# Allegro board OPT8241-CDK-EVM SB REV2P0V1.brd (continued)
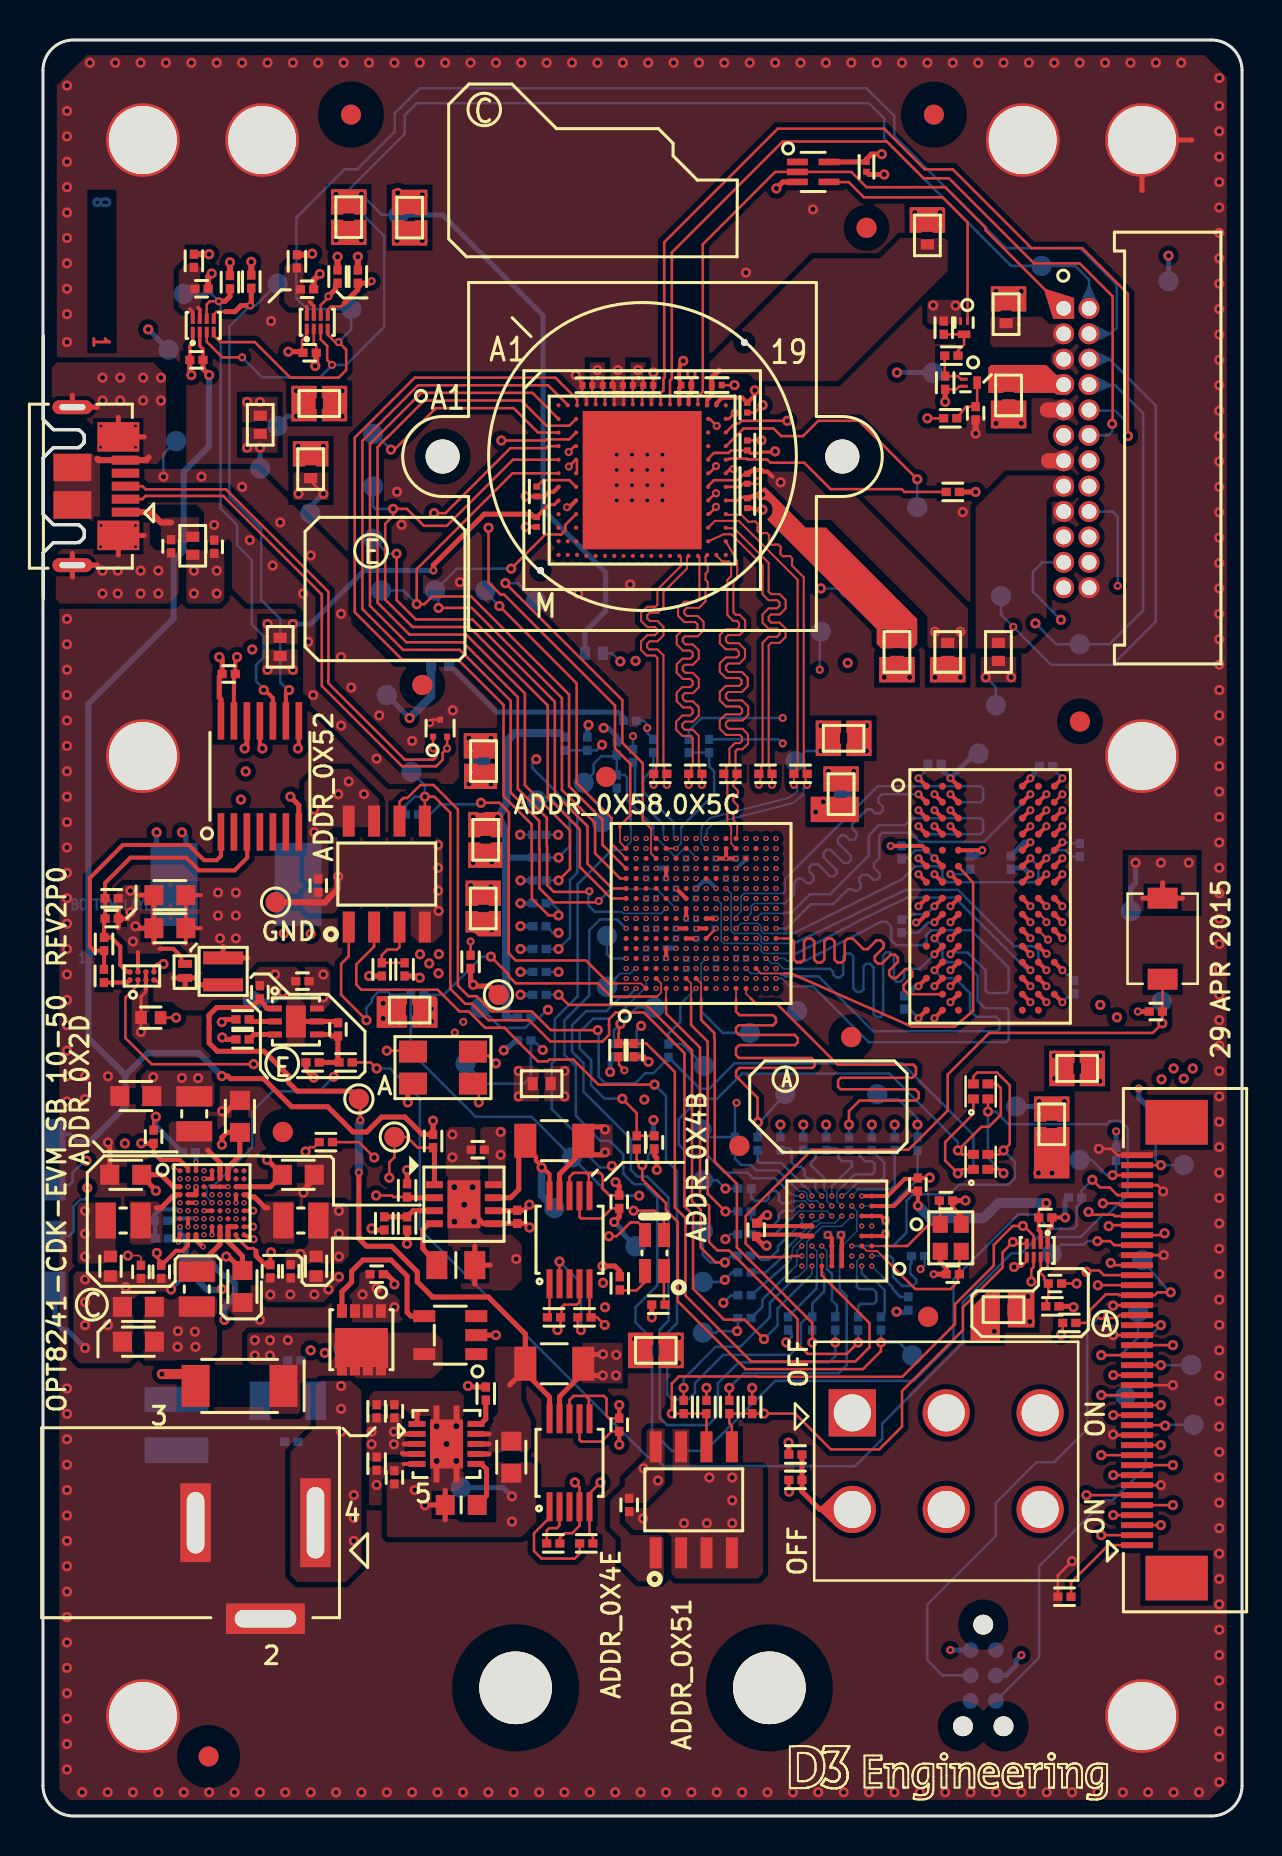
[diagram p0: board, top side]
## Copper pours and planes (outline as drawn; the poured copper is in the pictures) (continued)
VCC_3V3 on BOTTOM: 1.7,27.67 1.7,31.92 4.04,34.26 5.21,34.26 8.31,31.16 9.2,31.16 10.09,30.27 10.09,28.62 10.73,27.98 10.73,24.55 8.67,22.49 3.65,22.49 2.6,23.54 2.6,24.94 2.63,24.96 2.63,26.74 ; 2 cut-outs
VCC_3V3 on SIG1: 5.36,33.12 3.59,33.12 2.22,34.5 2.22,63.04 2.73,63.54 2.73,69.51 2.22,70.02 2.22,73.15 3.69,73.15 3.69,78.19 3.68,78.21 8.06,82.59 45.14,82.59 49.59,78.15 49.59,76.24 49.21,75.86 45.02,75.86 41.46,79.42 16.95,79.42 9.84,72.31 9.84,67.65 10.22,67.27 10.22,66.09 10.18,66.05 10.17,66.05 9.84,65.72 9.84,54.7 7.86,52.72 7.86,48.69 7.02,47.85 7.02,41.43 4.74,39.14 4.74,34.53 5.45,33.81 5.45,33.21
VCC_5V0_ILLUM on TOP: 27,23.67 27,21.63 29.01,21.63 29.01,23.67
VCC_5V0_ILLUM on SIG1: 19.36,41.32 15.55,45.13 15.55,55.13 15.95,55.52 15.95,57.67 19.42,61.14 23.82,61.14 26.08,63.4 38.39,63.4 44.89,69.89 50.26,69.89 50.6,69.56 51.29,69.56 51.59,69.25 51.59,68.76 51.35,68.52 50.49,68.52 49.97,68 49.97,64.85 50.33,64.49 51.29,64.49 51.6,64.19 51.6,63.73 51.29,63.42 50.35,63.42 50.3,63.37 50.3,62.1 50.43,61.98 51.57,61.98 51.7,61.85 51.7,60.83 50.81,59.94 27.7,59.94 23.76,56.01 23.76,49.91 23.38,49.53 23.38,48.64 23.63,48.39 23.63,42.67 22.28,41.32 ; 1 cut-out
VCC_5V0_ILLUM on GND2: 31.17,25.24 30.16,26.26 30.16,27.22 29.19,28.19 21.83,28.19 20.13,29.89 20.13,36.11 18.35,37.89 18.35,43.22 18.49,43.36 19.9,43.36 21.14,42.11 21.14,41.45 33.21,29.38 33.21,20.49 31.94,19.22 28.25,19.22 27.62,19.86 27.62,23.28 27.75,23.41 30.67,23.41 31.17,23.92 ; 1 cut-out
VCC_5V0_MAIN on TOP: 27.86,34.59 27.86,32.93 28.51,32.93 28.51,34.59
VCC_5V0_MAIN on BOTTOM: 11.66,43.59 11.66,49.43 11.83,49.61 13.9,49.61 14.15,49.37 14.15,43.75 13.98,43.59
VCC_5V0_MAIN on PWR1: 3.48,32.05 7.93,32.05 8.44,32.56 8.44,33.83 7.3,34.97 5.52,34.97 4.5,35.98 4.5,46.78 5.65,47.92 22.79,47.92 31.68,39.03 31.68,20.62 30.67,19.6 26.86,19.6 25.71,20.74 25.71,29.25 27.56,31.09 27.56,32.11 27.62,32.17 27.62,36.37 20.89,43.1 10.85,43.1 8.29,40.53 8.29,38.3 9.39,37.19 10.16,37.19 14.03,33.32 14.03,27.98 13.52,27.48 11.49,27.48 11.24,27.73 11.24,29 10.85,29.38 10.3,29.38 9.7,28.78 9.7,28.09 8.82,27.22 4.5,27.22 3.18,28.54 3.18,31.75 ; 1 cut-out
VCC_5V0_MAIN on PWR2: 12.89,79.04 16.44,79.04 17.84,77.64 17.84,70.69 9.94,62.79 9.94,60.29 7.38,57.72 7.38,56.06 8.55,54.88 8.55,50.51 8.67,50.39 8.67,44.13 10.22,42.58 10.22,34.33 8.31,32.43 8.31,29.38 8.19,29.25 7.04,29.25 4.38,31.92 4.38,39.99 5.75,41.36 5.56,48.75 5.56,58.45 7.64,60.53 7.64,63.98 13.65,69.99 13.65,72.94 12.25,74.34 12.25,78.4
VCC_5V0_MINUS on TOP (solid shape): 49.21,69.39 47.43,69.39 47.43,70.78 49.21,70.78
VCC_5V0_MINUS on TOP (solid shape): 19.24,80.05 18.62,80.05 18.62,80.12 18.08,80.12 18.08,80.05 17.46,80.05 17.46,81.32 19.24,81.32
VCC_5V0_MINUS on TOP: 3.68,43.25 3.68,46.17 4.06,46.55 5.84,46.55 5.97,46.43 5.97,43.25 5.84,43.13 3.81,43.13
VCC_5V0_MINUS on SIG2: 1.84,62.78 2.22,62.78 2.73,63.29 2.73,64.81 2.47,65.07 1.84,65.07 1.84,67.61 2.47,68.24 2.47,69.51 1.84,70.15 1.84,74.59 8.82,81.58 45.53,81.58 49.84,77.26 49.84,69 49.34,68.5 45.65,68.5 45.14,69 45.14,69.77 40.7,74.21 9.83,74.21 7.68,72.05 7.68,46.4 4.63,43.35 2.35,43.35 1.84,43.86
VCC_5V0_MINUS_FSC on TOP (solid shape): 18.08,79.73 18.62,79.73 18.62,79.8 19.24,79.8 19.24,78.53 17.46,78.53 17.46,79.8 18.08,79.8
VCC_5V0_MINUS_FSC on SIG1: 45.53,70.4 43.37,70.4 38.41,75.35 18.6,75.35 16.44,77.51 16.44,78.4 17.2,79.16 41.46,79.16 45.65,74.97 45.65,70.53
VCC_5V0_MINUS_ILLUM on TOP (solid shape): 50.7,72.07 51.07,72.07 51.32,72.07 51.59,71.8 51.59,71.77 51.56,71.58 51.59,71.39 51.59,71.37 51.31,71.08 51.07,71.09 50.7,71.08 50.62,71.16 48.59,71.16 48.59,71.23 48.05,71.23 48.05,71.16 47.3,71.16 47.3,72.43 47.43,72.56 50.21,72.56
VCC_AVDD_OUT_3V3 on TOP (solid shape): 45.14,80.37 45.14,79.16 44.53,79.16 44.53,79.23 43.99,79.23 43.99,79.16 43.37,79.16 43.37,80.45 45.06,80.45
VCC_AVDD_OUT_3V3 on PWR2: 10.55,40.59 10.55,34.43 8.65,32.52 8.65,31.33 9.2,30.77 9.56,30.77 10.09,30.24 10.09,29.5 10.41,29.18 11.66,29.18 12.66,30.19 12.66,39.19 12.13,39.73 12.13,46.89 10.68,48.34 10.68,57.04 10.74,57.1 10.74,57.54 11.5,58.31 11.5,58.61 10.68,59.44 10.68,59.89 16.37,65.58 16.37,66.54 27.59,77.76 45.08,77.76 46.36,79.05 46.36,80.32 45.69,80.99 42.55,80.99 41.35,79.78 27.3,79.78 10.21,62.69 10.21,60.25 7.71,57.75 7.71,55.94 8.86,54.79 8.86,44.32 10.46,42.72 10.46,40.68
VCC_DC_JACK on TOP (solid shape): 17.26,22.39 17.16,22.39 17.16,22.04 16.66,22.04 16.66,22.45 16.51,22.45 16.51,22.04 16.01,22.04 16.01,22.45 15.86,22.45 15.86,22.04 15.36,22.04 15.36,22.45 15.21,22.45 15.21,22.04 14.71,22.04 14.71,22.39 14.61,22.39 14.61,24.4 17.26,24.4
VCC_DC_JACK on TOP: 11.36,21.63 11.36,20.36 11.62,20.11 12.76,20.11 12.89,20.24 12.89,21.63 13.14,21.89 19.49,21.89 20,22.4 20,23.79 19.62,24.17 10.35,24.17 10.22,24.05 10.22,22.78
VCC_DC_JACK on BOTTOM: 11.62,19.6 12.51,20.49 12.51,23.92 12.25,24.17 10.47,24.17 7.95,21.65 5.2,21.65 5.12,21.56 5.12,20.23 5.22,20.13 8.56,20.13 9.09,19.6
VCC_DC_JACK on GND2: 13.02,24.17 13.39,23.79 13.39,22.14 12.89,21.63 11.47,21.63 11.47,20.05 11.25,19.84 5.37,19.84 5.05,20.16 5.05,21.5 5.36,21.81 7.19,21.81 9.55,24.17
VCC_DC_JACK_5V_IN on TOP: 23.16,31.41 22.4,31.41 22.27,31.54 22.27,32.81 22.02,33.06 21.89,33.06 21.89,34.33 22.02,34.46 23.03,34.46 23.16,34.33
VCC_DC_JACK_5V_IN on TOP: 15.93,27.22 16.7,27.22 16.7,26.71 17.2,26.21 17.46,26.21 18.09,25.57 18.09,24.94 17.84,24.68 15.43,24.68 15.3,24.81 15.3,26.59
VCC_DC_JACK_5V_IN on TOP: 19.11,18.08 17.2,18.08 16.82,17.7 16.32,17.7 16.19,17.82 16.19,19.98 16.32,20.11 17.84,20.11 17.97,19.98 17.97,19.41 18.15,19.22 19.11,19.22
VCC_DC_JACK_5V_IN on PWR1: 12.51,35.6 12.51,36.87 12.89,37.25 20.63,37.25 23.43,34.46 23.43,31.54 21.73,29.84 21.73,18.25 23.34,16.64 37.98,16.64 38.11,16.51 38.11,13.46 37.52,12.87 20.25,12.87 14.66,18.46 14.66,33.44
VCC_DDR2_0V9 on TOP (solid shape): 41.46,53 40.19,53 40.19,53.62 40.26,53.62 40.26,54.16 40.19,54.16 40.19,54.78 41.46,54.78
VCC_DDR2_0V9 on PWR1: 34.68,46.86 34.68,44.05 35.75,42.98 35.75,42.21 37.14,40.81 51.93,40.81 52.45,41.33 52.45,51.16 48.57,55.03 40.32,55.03 40.06,54.78 40.06,53.39 35.82,49.15 35.82,47.37 35.44,46.99 34.81,46.99
VCC_DDR2_0V9 on GND2: 34.86,47.92 34.86,41.19 36.81,41.19 36.81,47.92
VCC_DDR2_1V8 on TOP (solid shape): 51.62,37.65 51.55,37.65 51.55,37.11 51.62,37.11 51.62,36.49 50.35,36.49 50.35,38.27 51.62,38.27
VCC_DDR2_1V8 on PWR2: 51.11,36.62 47.05,36.62 44.38,39.29 39.81,39.29 36.89,42.21 36.89,48.3 37.08,48.5 37.08,49.89 36.96,50.01 36.96,51.9 37.8,52.75 50.86,52.75 51.88,51.73 51.88,42.59 51.62,42.33 51.62,37.13
VCC_FX2_1V8 on TOP (solid shape): 32.06,22.4 30.79,22.4 30.79,23.01 30.86,23.01 30.86,23.55 30.79,23.55 30.79,24.17 32.06,24.17
VCC_FX2_1V8 on TOP: 31.11,16.59 31.11,19.38 30.35,19.38 30.2,19.23 30.2,17.93 29.12,16.85 29.12,16.51 28.38,15.77 28.38,14.43 28.91,13.9 28.91,12.61 29.78,11.74 30.9,11.74 31.07,11.91 31.07,13.87 30.9,14.04 29.46,14.04 28.87,14.63 28.87,15.4 29.12,15.65 30.18,15.65
VCC_FX2_1V8 on PWR1: 35.55,29.03 35.55,31.68 36.37,32.49 47.11,32.49 47.43,32.17 47.43,31.03 45.98,29.58 43.24,29.58 43.15,29.67 43.11,29.63 41.84,29.63 41.33,29.13 41.33,27.73 40.83,27.22 39.62,27.22 39.61,27.23 36.24,27.23 35.54,27.93 35.54,29.01
VCC_FX2_1V8 on PWR2: 30.16,19.47 30.41,19.47 30.67,19.73 30.67,24.3 30.21,24.76 27.92,24.76 23.3,29.38 18.6,29.38 16.44,31.54 16.44,33.44 18.09,35.1 20.25,35.1 22.09,33.25 28.32,33.25 29.52,32.05 32.64,32.05 33.04,31.66 33.04,31.6 33.6,31.04 34.98,31.04 35.24,30.78 37.27,30.78 38.29,29.76 39.43,29.76 39.43,27.73 37.79,27.73 36.22,29.3 33.4,29.3 32.95,28.86 32.95,23.12 33.97,22.1 35.24,22.1 35.3,22.16 35.54,22.16 36.64,21.06 36.64,18.71 36.57,18.65 46.54,8.68 46.54,7.92 45.78,7.16 40.32,7.16 31.51,15.67 29.9,17.28 29.9,19.22
VCC_FX2_AVCC_3V3 on TOP (solid shape): 50.21,34.39 50.75,34.39 50.75,34.46 51.37,34.46 51.37,31.88 49.59,31.88 49.59,34.46 50.21,34.46
VCC_FX2_AVCC_3V3 on PWR1: 49.3,32.42 50.7,32.42 51.8,31.31 51.8,28.16 50.73,27.09 48.57,27.09 47.18,25.7 42.99,25.7 41.59,27.09 41.59,29.13 41.84,29.38 46.26,29.38
VCC_I2C_3V3 on TOP (solid shape): 49.61,24.43 48.28,24.43 48.28,26.21 49.61,26.21
VCC_I2C_3V3 on PWR1: 5.9,78.4 10.09,78.4 10.73,77.77 10.73,63.92 9.78,62.97 9.78,58.65 10.41,58.02 10.66,58.02 10.98,58.34 10.98,59.23 12.89,61.13 41.84,61.13 44.26,58.72 46.41,58.72 48.4,60.71 52.93,60.71 57.97,55.67 57.97,37.25 57.26,36.54 55.51,36.54 52.8,39.25 52.8,51.37 48.81,55.36 40.25,55.36 39.94,55.67 39.94,56.69 38.54,58.08 18.35,58.08 11.87,51.61 9.41,51.61 9.36,51.56 7.63,51.56 7.25,51.94 7.25,53.72 4.31,56.66 4.31,69.58 4.63,69.89 4.63,70.66 4.57,70.72 4.57,77.07
VCC_I2C_3V3 on PWR1: 51.38,23.16 48.66,23.16 48.35,23.47 48.35,26.24 48.7,26.59 51.62,26.59 51.88,26.33 51.9,26.35 51.9,25.35 51.38,24.83
VCC_I2C_3V3 on PWR2: 48.87,26.33 48.87,24.38 49.34,23.92 55.05,23.92 57.97,26.84 57.97,37.39 57.69,37.67 55.38,37.67 54.08,36.37 53.27,36.37 52.64,35.73 52.64,29.89 49.08,26.33
VCC_ILLUM_5V on TOP: 21.31,17.97 22.07,17.97 22.09,17.95 22.43,17.95 22.43,18.2 24.19,18.2 24.44,18.45 24.44,19.7 24.43,19.7 23.94,20.77 23.94,21.84 24.27,21.84 24.65,22.23 24.65,23.5 23.76,23.5 23.76,23.47 22.69,23.47 22.62,23.39 22.62,21.78 22.77,21.63 22.77,20.15 22.57,19.95 22.43,19.95 22.43,19.48 22.2,19.24 21.31,19.24
VCC_ILLUM_DRV_1V8 on TOP: 46.67,58.39 46.67,65.45 48.25,67.03 51.39,67.03 51.61,66.81 51.61,66.15 51.43,65.98 50.44,65.98 50.22,65.76 50.22,59.48 49.13,58.39
VCC_ILLUM_DRV_3V3 on TOP: 47.49,74.97 49.97,74.97 50.31,74.64 51.31,74.64 51.61,74.33 51.61,73.9 51.29,73.58 50.66,73.58 50.52,73.44 47.56,73.44 47.39,73.61 47.39,74.88
VCC_ILLUM_FB on SIG2: 17.97,55.29 19.62,55.29 19.62,43.1 20.44,42.27 20.44,37.19 18.47,35.22 18.54,35.16 18.54,26.65 18.54,26.65 18.54,25.1 16.18,22.74 14.62,22.74 14.13,22.24 9.93,22.24 9.03,23.14 9.03,23.92 8.82,23.92 8.57,24.17 8.57,25.15 9.55,26.12 14.28,26.12 14.83,26.67 14.83,32.16 13.75,33.24 13.75,35.32 17.59,39.16 17.59,54.91
VCC_LDO_1V8 on TOP (solid shape): 13.7,70.9 13.63,70.9 13.63,70.36 13.7,70.36 13.7,69.74 12.43,69.74 12.43,71.52 13.7,71.52
VCC_LDO_1V8 on PWR2: 7.43,27.86 3.23,27.86 1.84,29.25 1.84,58.97 3.56,60.69 3.56,66.54 8.82,71.8 12.89,71.8 13.14,71.54 13.14,69.96 7.17,64 7.17,60.4 5.22,58.45 5.22,51.55 5.37,51.7 5.37,41.67 4,40.3 4,31.79 6.79,29 7.17,29 7.55,28.62 7.55,27.98
VCC_LDO_3V3 on TOP (solid shape): 51.37,34.71 50.75,34.71 50.75,34.78 50.21,34.78 50.21,34.71 49.59,34.71 49.59,35.98 51.37,35.98
VCC_LDO_3V3 on TOP (solid shape): 47.88,25.59 47.87,25.59 47.87,25.05 47.88,25.05 47.88,23.77 46.41,23.77 46.41,25.37 47.25,26.21 47.88,26.21
VCC_LDO_3V3 on BOTTOM: 25.97,13.51 15.17,24.3 10.98,24.3 10.98,27.98 10.35,28.62 10.35,29.89 14.66,29.89 14.79,29.76 17.59,29.76 29.9,17.44 40.83,17.44 42.22,18.84 42.22,20.87 51.11,29.76 53.27,29.76 54.42,30.9 54.42,33.06 53.15,34.33 50.1,34.33 49.56,34.87 49.56,38.11 50.22,38.78 55.43,38.78 57.59,36.62 57.59,13.51 ; 8 cut-outs
VCC_LDO_3V3 on PWR1: 10.79,28.98 10.79,27.67 11.43,27.03 13.46,27.03 13.9,26.59 13.9,18.71 20.04,12.57 37.74,12.57 38.67,13.51 38.67,17.32 39.43,18.08 41.72,18.08 42.86,19.22 42.86,24.68 43.49,25.32 47.68,25.32 48.19,24.81 48.19,11.22 46.16,9.19 8.06,9.19 4.89,12.36 4.89,25.57 6.16,26.84 8.82,26.84 9.97,27.98 9.97,28.67 10.42,29.13 10.65,29.13
VCC_LDO_3V3 on PWR2: 47.35,25.36 47.62,25.63 47.62,35.67 48.19,36.24 51.24,36.24 52.19,35.29 52.19,29.57 49.3,26.68 49,26.68 48.64,26.32 48.64,23.86 48.57,23.79 47.68,23.79 47.35,24.12
VCC_LDOAO on SIG2: 7.3,32.05 7.3,32.81 7.55,33.06 10.47,33.06 10.48,33.05 13.5,33.05 14.37,32.18 14.37,27.08 13.88,26.58 8.63,26.58 8.52,26.7 8.52,29.3 8.31,29.51 6.54,29.51 6.16,29.89 6.16,31.29 6.54,31.67 6.92,31.67 ; 1 cut-out
VCC_MIX on TOP: 9.96,69.7 11.74,69.7 11.74,70.97 9.96,70.97
VCC_MIX on SIG2: 8.82,71.98 8.82,72.56 10.2,73.94 29.6,73.94 30.69,72.85 30.69,70.38 30.14,69.83 23.77,69.83 23.4,70.2 16.19,70.2 15.45,69.47 8.47,69.47 8.32,69.62 8.32,71.48
VCC_PVDD on TOP: 12.53,67.18 12.53,65.81 14.28,65.81 14.28,67.18
VCC_SENSOR_AVDD_1V8 on TOP: 44.38,58.39 44.26,58.51 44.26,59.99 39.43,64.81 38.03,64.81 36.25,66.59 36.25,67.23 38.03,67.23 39.18,66.08 40.57,66.08 46.29,60.37 46.29,58.41 46.26,58.39
VCC_SENSOR_AVDD_1V8 on PWR1: 36.51,67.23 41.84,67.23 46.8,62.27 46.8,59.73 46.03,58.97 44.38,58.97 41.84,61.51 26.48,61.51 25.97,62.02 25.97,68.24 26.22,68.5 27.36,68.5 28.25,67.61 31.05,67.61 31.62,67.04 31.62,64.11 32.19,63.54 36.51,63.54 37.02,64.05 37.02,66.09 36.51,66.6
VCC_SENSOR_AVDD_3V3 on TOP: 35.66,71.75 35.31,72.11 33.36,72.11 33.36,72.71 38.54,77.89 41.89,77.89 42.9,78.91 45.14,78.91 45.27,78.78 45.27,77.26 39.76,71.75
VCC_SENSOR_DVDD_1V8 on TOP (solid shape): 36.12,66.44 36.17,66.42 38.16,64.43 39.18,64.43 43.75,59.86 43.75,58.62 43.52,58.39 43,58.39 43,58.4 42.46,58.4 42.46,58.39 41.94,58.39 41.72,58.62 41.72,59.35 36.28,64.79 36.26,64.85 36.29,64.9 36.46,65.55 35.85,65.81 35.78,65.82 35.75,65.88 35.75,66.21 35.83,66.29 35.84,66.3 35.96,66.34 36.07,66.42
VCC_SENSOR_DVDD_1V8 on PWR1: 32.44,67.61 35.15,67.61 36.59,66.17 36.59,64.26 36.25,63.92 32.83,63.92 32.06,64.69 32.06,67.23
VCC_SENSOR_DVDD_1V8 on SIG2: 34.22,67.61 37.4,67.61 44.13,60.88 44.13,59.1 43.49,58.46 41.46,58.46 40.06,59.86 40.06,61.13 39.3,61.89 37.91,61.89 33.84,65.96 33.84,67.23
VCC_SENSOR_DVDD_3V3 on TOP (solid shape): 15.03,79.76 15.57,79.76 15.57,79.82 16.19,79.82 16.19,78.55 14.41,78.55 14.41,79.82 15.03,79.82
VCC_SENSOR_DVDD_3V3 on TOP: 46.03,74.59 44.38,74.59 44.26,74.72 44.26,75.68 44.39,75.81 45.83,75.81 46.03,75.61
VCC_SENSOR_DVDD_3V3 on PWR1: 47.56,72.83 46.12,71.39 39.68,71.39 38.63,72.44 31.67,72.44 30.16,73.96 13.39,73.96 12.63,74.72 12.63,79.8 16.95,84.12 43.62,84.12 47.56,80.17
VCC_SENSOR_DVDD_3V3 on GND2: 10.73,54.15 9.97,54.91 9.97,58.72 10.47,59.23 14.03,59.23 15.07,58.18 15.07,43.58 15.05,43.6 15.05,40.81 19.74,36.11 19.74,29.76 21.68,27.83 29.55,27.83 30.79,26.59 30.79,23.54 19.62,23.54 15.68,27.48 15.68,35.6 10.73,40.56
VCC_SENSOR_IOVDD_1V8 on TOP: 10.98,58.59 12.76,58.59 12.76,59.86 10.98,59.86
VCC_SENSOR_IOVDD_1V8 on PWR2: 46.67,58.97 49.72,62.02 49.72,65.45 48.32,66.85 43.24,66.85 41.54,65.14 16.41,65.14 11.05,59.78 11.05,59.44 11.51,58.97
VCC_SENSOR_PLL_1V8 on TOP (solid shape): 15.22,69.74 13.95,69.74 13.95,70.36 14.02,70.36 14.02,70.9 13.95,70.9 13.95,71.52 15.22,71.52
VCC_SENSOR_PLL_1V8 on PWR1: 35.75,70.4 17.08,70.4 16.06,69.39 14.28,69.39 12.76,70.91 12.76,73.07 13.27,73.58 29.9,73.58 31.17,72.31 35.49,72.31 36.05,71.75 36.05,70.71
VCC_SENSOR_PVDD on TOP (solid shape): 14.28,67.48 13.67,67.48 13.67,67.55 13.12,67.55 13.12,67.48 12.51,67.48 12.51,68.75 14.28,68.75
VCC_SENSOR_PVDD on PWR1: 25.62,68.37 26.17,68.92 27.83,68.92 28.77,67.98 36.88,67.98 37.02,68.12 37.02,69.47 36.38,70.1 17.59,70.1 16.36,68.88 12.38,68.88 12,68.5 12,62.78 13.14,61.64 24.7,61.64 25.62,62.56
VCC_TFC_CONFIG on TOP (solid shape): 21.69,50.21 21.92,50.16 22.14,50.21 22.85,50.21 23,50.06 23,49.45 22.99,49.44 22.99,48.94 22.43,48.94 22.43,49.01 21.89,49.01 21.89,48.94 21.27,48.94 21.27,50.21
VCC_TFC_CORE_1V2 on TOP (solid shape): 19.74,40.88 19.74,39.41 18.48,39.41 18.48,40.03 18.54,40.03 18.54,40.57 18.48,40.57 18.48,41 19.62,41
VCC_TFC_CORE_1V2 on GND2: 29.27,41.06 34.12,41.06 34.45,41.4 34.45,47.92 35.24,47.92 35.49,48.18 36.25,48.18 37.14,49.07 37.52,49.07 38.79,50.34 38.79,51.86 38.78,51.87 38.78,60.49 34.63,64.64 17,64.64 15.22,62.87 15.22,58.65 15.4,58.47 15.55,58.47 15.55,40.94 17.46,39.03 19.49,39.03 19.87,39.41 19.87,40.43 19.24,41.06 18.98,41.06 17.97,42.08 17.97,54.27 18.98,55.29 23.9,55.29 27.01,58.39 30.54,58.39 31.23,57.71 31.23,50.15 32.57,48.81 32.57,47.7 32.24,47.37 31.23,47.37 31.23,44.4 30.79,43.97 28.66,43.97 28.38,43.69 28.38,41.95
VCC_TFC_IOVDD_1V8 on TOP: 26.35,35.73 26.35,37.51 25.08,37.51 25.08,35.73
VCC_TFC_IOVDD_1V8 on TOP: 14.28,49.19 14.54,49.45 16.7,49.45 16.82,49.57 16.82,50.84 15.3,52.37 13.78,52.37 13.08,51.67 13.08,46.84 13.27,46.65 14.03,46.65 14.28,46.91
VCC_TFC_IOVDD_1V8 on PWR2: 13.27,50.59 18.09,55.42 33.97,55.42 36.76,52.62 36.76,42.21 37.27,41.7 37.27,41.06 30.92,41.06 30.92,36.1 32.81,34.21 33.21,34.21 35.37,32.05 41.33,32.05 41.72,31.67 41.72,30.27 41.59,30.14 41.59,29.13 40.83,29.13 39.94,30.02 38.92,30.02 37.91,31.03 35.49,31.03 34.86,31.67 33.46,31.67 32.7,32.43 29.65,32.43 28.51,33.57 25.59,33.57 24.95,34.21 24.95,37.13 21.65,40.43 15.93,40.43 15.14,41.23 15.14,46.71 13.27,48.58
VCC_TFC_IOVDD_2V5 on TOP (solid shape): 39.67,50.97 39.67,50.9 40.21,50.9 40.21,50.97 40.83,50.97 40.83,49.7 38.41,49.7 38.41,50.97
VCC_TFC_IOVDD_2V5 on SIG1: 39.27,49.67 39.27,50.88 39.05,51.1 37.52,51.1 34.6,48.18 33.46,48.18 33.33,48.05 33.33,47.67 33.46,47.54 35.87,47.54 36.51,48.18 37.78,48.18
VCC_TFC_IOVDD_3V3 on BOTTOM: 27.8,57.73 27.8,58.73 27.95,58.88 29.78,58.88 30.03,58.62 30.03,57.73 29.8,57.51 28.03,57.51
VCC_TFC_IOVDD_3V3 on GND2: 27.7,47.64 32.19,47.64 32.38,47.83 32.38,48.67 31.91,49.14 31.9,49.14 30.79,50.24 30.79,57.61 30.36,58.04 28.81,58.04 27.7,56.92
VCC_TFC_PLL_1V2 on TOP (solid shape): 22.73,52.88 22.32,52.88 22.32,52.95 21.78,52.95 21.78,52.88 21.05,52.88 21.05,54.15 22.73,54.15
VCC_TFC_PLL_1V2 on PWR1: 35.62,41.19 30.03,41.19 22.73,48.49 21.33,48.49 20.58,49.24 20.58,54.22 20.89,54.53 34.73,54.53 37.14,52.11 37.14,50.84 35.43,49.13 35.43,47.25 34.92,47.25 34.76,47.41 31.3,47.41 30.67,46.78 30.67,43.71 31.39,42.99 35.28,42.99 35.62,42.65
VCC_TFC_PLL_2V5 on TOP (solid shape): 21.76,45.19 22.3,45.19 22.3,45.25 22.92,45.25 22.92,43.99 21.78,43.99 21.54,44.17 21.24,44.16 21.17,44.17 21.14,44.23 21.14,45.25 21.76,45.25
VCC_TFC_PLL_2V5 on PWR1: 34.31,43.25 31.53,43.25 31.17,43.6 31.17,47.03 31.3,47.16 34.22,47.16 34.48,46.91 34.48,43.86 34.47,43.86 34.47,43.42
VCC_TFC_PLL_2V5 on SIG2: 24.44,42.33 24.19,42.59 23.55,42.59 22.16,43.99 22.16,44.87 25.59,48.3 33.59,48.3 34.73,47.16 34.73,47.03 32.19,44.49 32.19,42.97 31.56,42.33 29.9,42.33 29.9,42.59 28.89,42.59 28.89,42.33
VCC_USB_5V_IN on TOP: 7.17,63.29 8.82,63.29 9.08,63.04 9.08,60.88 8.82,60.62 7.3,60.62 7.17,60.75
VCC_USB_5V_IN on TOP: 13.39,40.22 14,40.22 14.38,40.6 14.38,42.24 14.16,42.46 13.11,42.46 13.11,41.22 13.39,40.94
VCC_USB_5V_IN on BOTTOM: 10.51,50.75 10.51,56.27 10.35,56.43 10.35,61.64 9.2,62.78 6.92,62.78 6.6,62.46 6.6,56.62 6.6,56.62 6.6,54.8 6.4,54.6 6.4,53.57 6.51,53.45 6.51,52.03 5.34,50.86 5.34,50.5 5.5,50.34 10.11,50.34
VCC_USB_5V_IN on SIG1: 9.18,52.55 11.44,52.55 11.9,52.1 11.9,50.6 12.46,50.04 12.46,44.2 12.42,44.16 12.42,43.97 13.69,42.71 14.16,42.71 14.68,42.19 14.68,41.03 14.03,40.39 12.84,40.39 10.89,38.44 8.63,38.44 8.48,38.6 8.48,39.78 10.27,41.57 10.27,48.01 8.96,49.31 8.96,52.34
VCC_USB_5V_IN on PWR1: 20.95,37.51 23.81,34.65 23.81,31.41 22.16,29.76 22.16,19.09 24.06,17.19 37.78,17.19 37.78,19.09 26.98,19.09 25.21,20.87 25.21,29.25 27.49,31.54 27.49,36.14 20.92,42.72 11.11,42.72 8.57,40.18 8.57,38.47 9.53,37.51
(no net) on TOP: 41.84,56.69 43.62,56.69 43.62,57.96 41.84,57.96
(no net) on TOP: 18.47,41.19 18.47,39.41 19.74,39.41 19.74,41.19
(no net) on TOP: 19.24,79.8 17.46,79.8 17.46,78.53 19.24,78.53
(no net) on TOP: 51.37,35.98 49.59,35.98 49.59,34.71 51.37,34.71
(no net) on TOP: 21.27,48.94 23.05,48.94 23.05,50.21 21.27,50.21
(no net) on TOP: 47.3,71.16 47.3,72.43 47.43,72.56 50.21,72.56 50.7,72.07 51.32,72.07 51.6,71.79 51.6,71.37 51.31,71.08 50.7,71.08 50.62,71.16
(no net) on TOP: 45.14,80.45 43.37,80.45 43.37,79.16 45.14,79.16
(no net) on TOP: 40.19,54.78 40.19,53 41.46,53 41.46,54.78
(no net) on TOP: 12.51,67.48 14.28,67.48 14.28,68.75 12.51,68.75
(no net) on TOP: 30.79,24.17 30.79,22.4 32.06,22.4 32.06,24.17
(no net) on TOP: 40.83,50.97 38.41,50.97 38.41,49.7 40.83,49.7
(no net) on TOP: 19.24,81.32 17.46,81.32 17.46,80.05 19.24,80.05
(no net) on TOP: 22.92,45.26 21.14,45.26 21.14,43.99 22.92,43.99
(no net) on TOP: 12.43,71.52 12.43,69.74 13.7,69.74 13.7,71.52
(no net) on TOP: 49.21,76.5 47.43,76.5 47.43,75.23 49.21,75.23
(no net) on TOP: 16.19,79.82 14.41,79.82 14.41,78.55 16.19,78.55
(no net) on TOP: 21.05,52.88 22.94,52.88 22.94,54.15 21.05,54.15
(no net) on TOP: 48.28,24.43 49.61,24.43 49.61,26.21 48.26,26.21 48.28,26.18
(no net) on TOP: 38.67,54.78 38.67,53 39.94,53 39.94,54.78
(no net) on TOP: 21.07,51.35 22.76,51.35 22.76,52.62 21.07,52.62
(no net) on TOP: 53.15,36.49 53.15,38.27 51.88,38.27 51.88,36.49
(no net) on TOP: 44.38,56.69 46.16,56.69 46.16,57.96 44.38,57.96
(no net) on TOP: 29.27,24.17 29.27,22.4 30.54,22.4 30.54,24.17
(no net) on TOP: 1.33,0.81 0.82,1.31 0.82,60.37 6.66,60.37 7.17,60.88 7.17,72.31 6.54,72.94 0.69,72.94 0.69,86.56 2.19,88.05 58.12,88.05 59.24,86.94 59.24,1.69 58.35,0.81 ; 126 cut-outs
(no net) on TOP: 46.41,26.21 46.41,23.77 47.88,23.77 47.88,26.21
(no net) on TOP: 13.95,71.52 13.95,69.74 15.22,69.74 15.22,71.52
(no net) on TOP: 41.94,58.39 41.72,58.62 41.72,59.35 35.75,65.32 35.75,66.21 36.06,66.53 38.16,64.43 39.18,64.43 43.75,59.86 43.75,58.62 43.52,58.39
(no net) on TOP: 51.62,36.49 51.62,38.27 50.35,38.27 50.35,36.49
(no net) on TOP: 22.92,46.78 21.14,46.78 21.14,45.51 22.92,45.51
(no net) on TOP: 51.37,34.46 49.59,34.46 49.59,31.88 51.37,31.88
(no net) on TOP: 40.83,52.49 39.05,52.49 39.05,51.22 40.83,51.22
(no net) on TOP: 16.7,41.19 16.7,39.41 18.22,39.41 18.22,41.19
(no net) on TOP: 47.43,69.39 49.21,69.39 49.21,70.78 47.43,70.78
(no net) on TOP: 21.27,47.41 23.05,47.41 23.05,48.68 21.27,48.68
(no net) on TOP: 16.19,81.35 14.41,81.35 14.41,80.08 16.19,80.08
(no net) on BOTTOM: 0.95,1.64 0.95,63.39 1.19,63.39 1.19,63.39 2.25,63.39 2.43,63.57 2.43,64.67 2.32,64.78 0.95,64.78 0.95,67.92 2.03,67.92 2.34,68.22 2.34,69.52 2.02,69.83 0.95,69.83 0.95,86.96 2.04,88.05 58.41,88.05 59.24,87.23 59.24,1.71 59.13,1.6 59.13,1.56 58.38,0.81 1.75,0.81 1.75,0.84 ; 134 cut-outs
(no net) on SIG1: 0.95,87.93 0.95,71.42 2.73,69.64 2.73,63.8 0.95,62.02 0.95,0.89 59.11,0.89 59.11,87.93 ; 124 cut-outs
(no net) on SIG2: 0.82,1.69 0.82,63.39 1.19,63.39 1.19,63.39 2.25,63.39 2.43,63.57 2.43,64.67 2.32,64.78 0.82,64.78 0.82,67.92 2.03,67.92 2.34,68.22 2.34,69.52 2.02,69.83 0.82,69.83 0.82,86.85 2.02,88.05 58.37,88.05 59.37,87.06 59.37,1.82 58.22,0.68 1.83,0.68 ; 101 cut-outs
EN on SIG1 (solid shape): 46.54,18.88 46.52,18.84 46.47,18.82 45.06,18.99 45.19,20.17 46.37,20.3
EN on TOP: 19.24,17.32 18.09,17.32 17.84,17.06 17.08,17.06 17.08,15.54 16.32,15.54 16.32,17.57 16.95,17.57 17.08,17.7 18.09,17.7 18.22,17.82 19.11,17.82 19.24,17.7
ENZ on SIG1 (solid shape): 45.21,15.34 45.34,14.16 43.92,13.99 43.87,14.01 43.86,14.05 44.03,15.47
ILLUM_EN on TOP (solid shape): 50.1,76.28 50.12,76.35 50.18,76.36 51.6,75.91 51.08,75.38 50.55,74.86
N00592 on TOP: 7.81,63.67 6.79,63.67 6.66,63.54 6.03,63.54 5.9,63.67 5.9,64.81 6.03,64.94 7.81,64.94
N00796 on TOP: 12.38,12.05 12.38,18.2 13.65,19.47 13.65,21.51 13.9,21.76 15.43,21.76 15.93,21.25 15.93,12.49 15.14,11.7 12.74,11.7
N00796 on BOTTOM: 15.17,11.98 12.25,11.98 11.36,12.87 11.36,15.92 12.63,17.19 12.63,19.09 13.14,19.6 13.14,21.89 13.27,22.01 15.43,22.01 16.19,21.25 16.19,13
N16777535 on TOP: 6.3,34.6 6.3,33.21 6.43,33.08 8.2,33.08 8.46,33.33 8.46,34.73 6.43,34.73
N16777636 on TOP: 12.5,28.61 11.02,28.61 10.74,28.89 10.74,30.29 11.19,30.73 12.59,30.73 12.59,28.7
N16778473 on TOP: 6.49,27.14 6.49,28.19 6.62,28.32 8.39,28.32 8.65,28.06 8.65,26.67 6.97,26.67
N16870319 on TOP: 4.46,28.57 5.85,28.57 5.98,28.7 5.98,30.48 5.73,30.73 4.33,30.73 4.33,28.7
N16896816 on TOP: 5.52,42.21 9.97,42.21 10.35,41.83 10.35,40.81 9.82,40.29 6.9,40.29 6.48,40.71 5.52,40.71
N16940304 on TOP (solid shape): 40.53,15.33 39.7,14.46 38.86,15.24 38.82,15.33 38.86,15.42 39.7,16.2
N16949841 on TOP: 12.25,77.64 12.94,77.64 13.04,77.54 13.04,76.85 13.54,76.35 13.54,75.43 12.35,75.43 12.07,75.71 12.07,77.46
N16953566 on TOP: 7.93,75.33 7.93,77.39 7.68,77.64 7.17,77.64 6.79,77.26 6.79,75.48 6.99,75.28 7.88,75.28
COMP_MOD_FB on SIG2 (solid shape): 53.49,66.55 53.52,66.5 53.49,66.45 52.56,66.02 52.33,66.5 52.56,66.98
COMP_MOD_REF on SIG2 (solid shape): 53.49,67.82 53.52,67.77 53.49,67.72 52.56,67.29 52.33,67.77 52.56,68.25
I2C_AUX_SCL on BOTTOM (solid shape): 53.39,72.91 53.42,72.85 53.39,72.79 52.58,72.38 52.33,72.85 52.58,73.32
I2C_AUX_SDA on BOTTOM (solid shape): 53.46,71.6 53.49,71.54 53.45,71.49 52.58,71.11 52.33,71.58 52.58,72.05
I2C_SLV_SCL on BOTTOM (solid shape): 52.29,76.52 52.34,76.55 52.4,76.52 52.82,75.61 52.34,75.37 51.87,75.61
I2C_SLV_SCL on SIG2 (solid shape): 53.49,75.44 53.52,75.39 53.49,75.34 52.56,74.91 52.33,75.39 52.56,75.87
I2C_SLV_SDA on BOTTOM (solid shape): 53.39,74.18 53.42,74.12 53.39,74.06 52.58,73.65 52.33,74.12 52.58,74.59
I2C_SLV_SDA on SIG2 (solid shape): 53.49,74.17 53.52,74.12 53.49,74.07 52.56,73.64 52.33,74.12 52.56,74.6
ILLUM_SW_1 on SIG1 (solid shape): 53.49,62.74 53.52,62.69 53.49,62.64 52.56,62.21 52.33,62.69 52.56,63.17

Small or netless copper shapes (teardrops, artwork), in the pictures only: 2 on GND2, 2 on TOP

## Text on the board
BOTTOM: 12 | BOTTOM LAYER | 8
Ref Des/Assembly Bottom: A | B
Ref Des/Silkscreen Bottom: 1 | 4 | 3 | 2 | 5 | 9 | 6 | 10 | 7 | 8 | A | GND | I2C_SLV_SDA | I2C_SLV_SCL | For evaluation only; not FCC approved for resale | TIC_DCLK | TFC_SYSCLK_IN | TFC_OPCLK_OUT | FX2_RESETz | VD_FR
